# Altium PCB LightLink_V3.PcbDoc (part 1 of 4)
Units mm, origin at the board's own origin, x right, y up, seen from the top; angles counter-clockwise.
Board outline 142 x 100 mm, 6 copper layers (Top Layer, GND, PWR, BRIDGE_1, BRIDGE_2, Bottom Layer), stack 0.816 mm thick; 380 components, 269 nets, 1515 pads, 309 vias.
Unrouted connection lines stored in the file: 109.
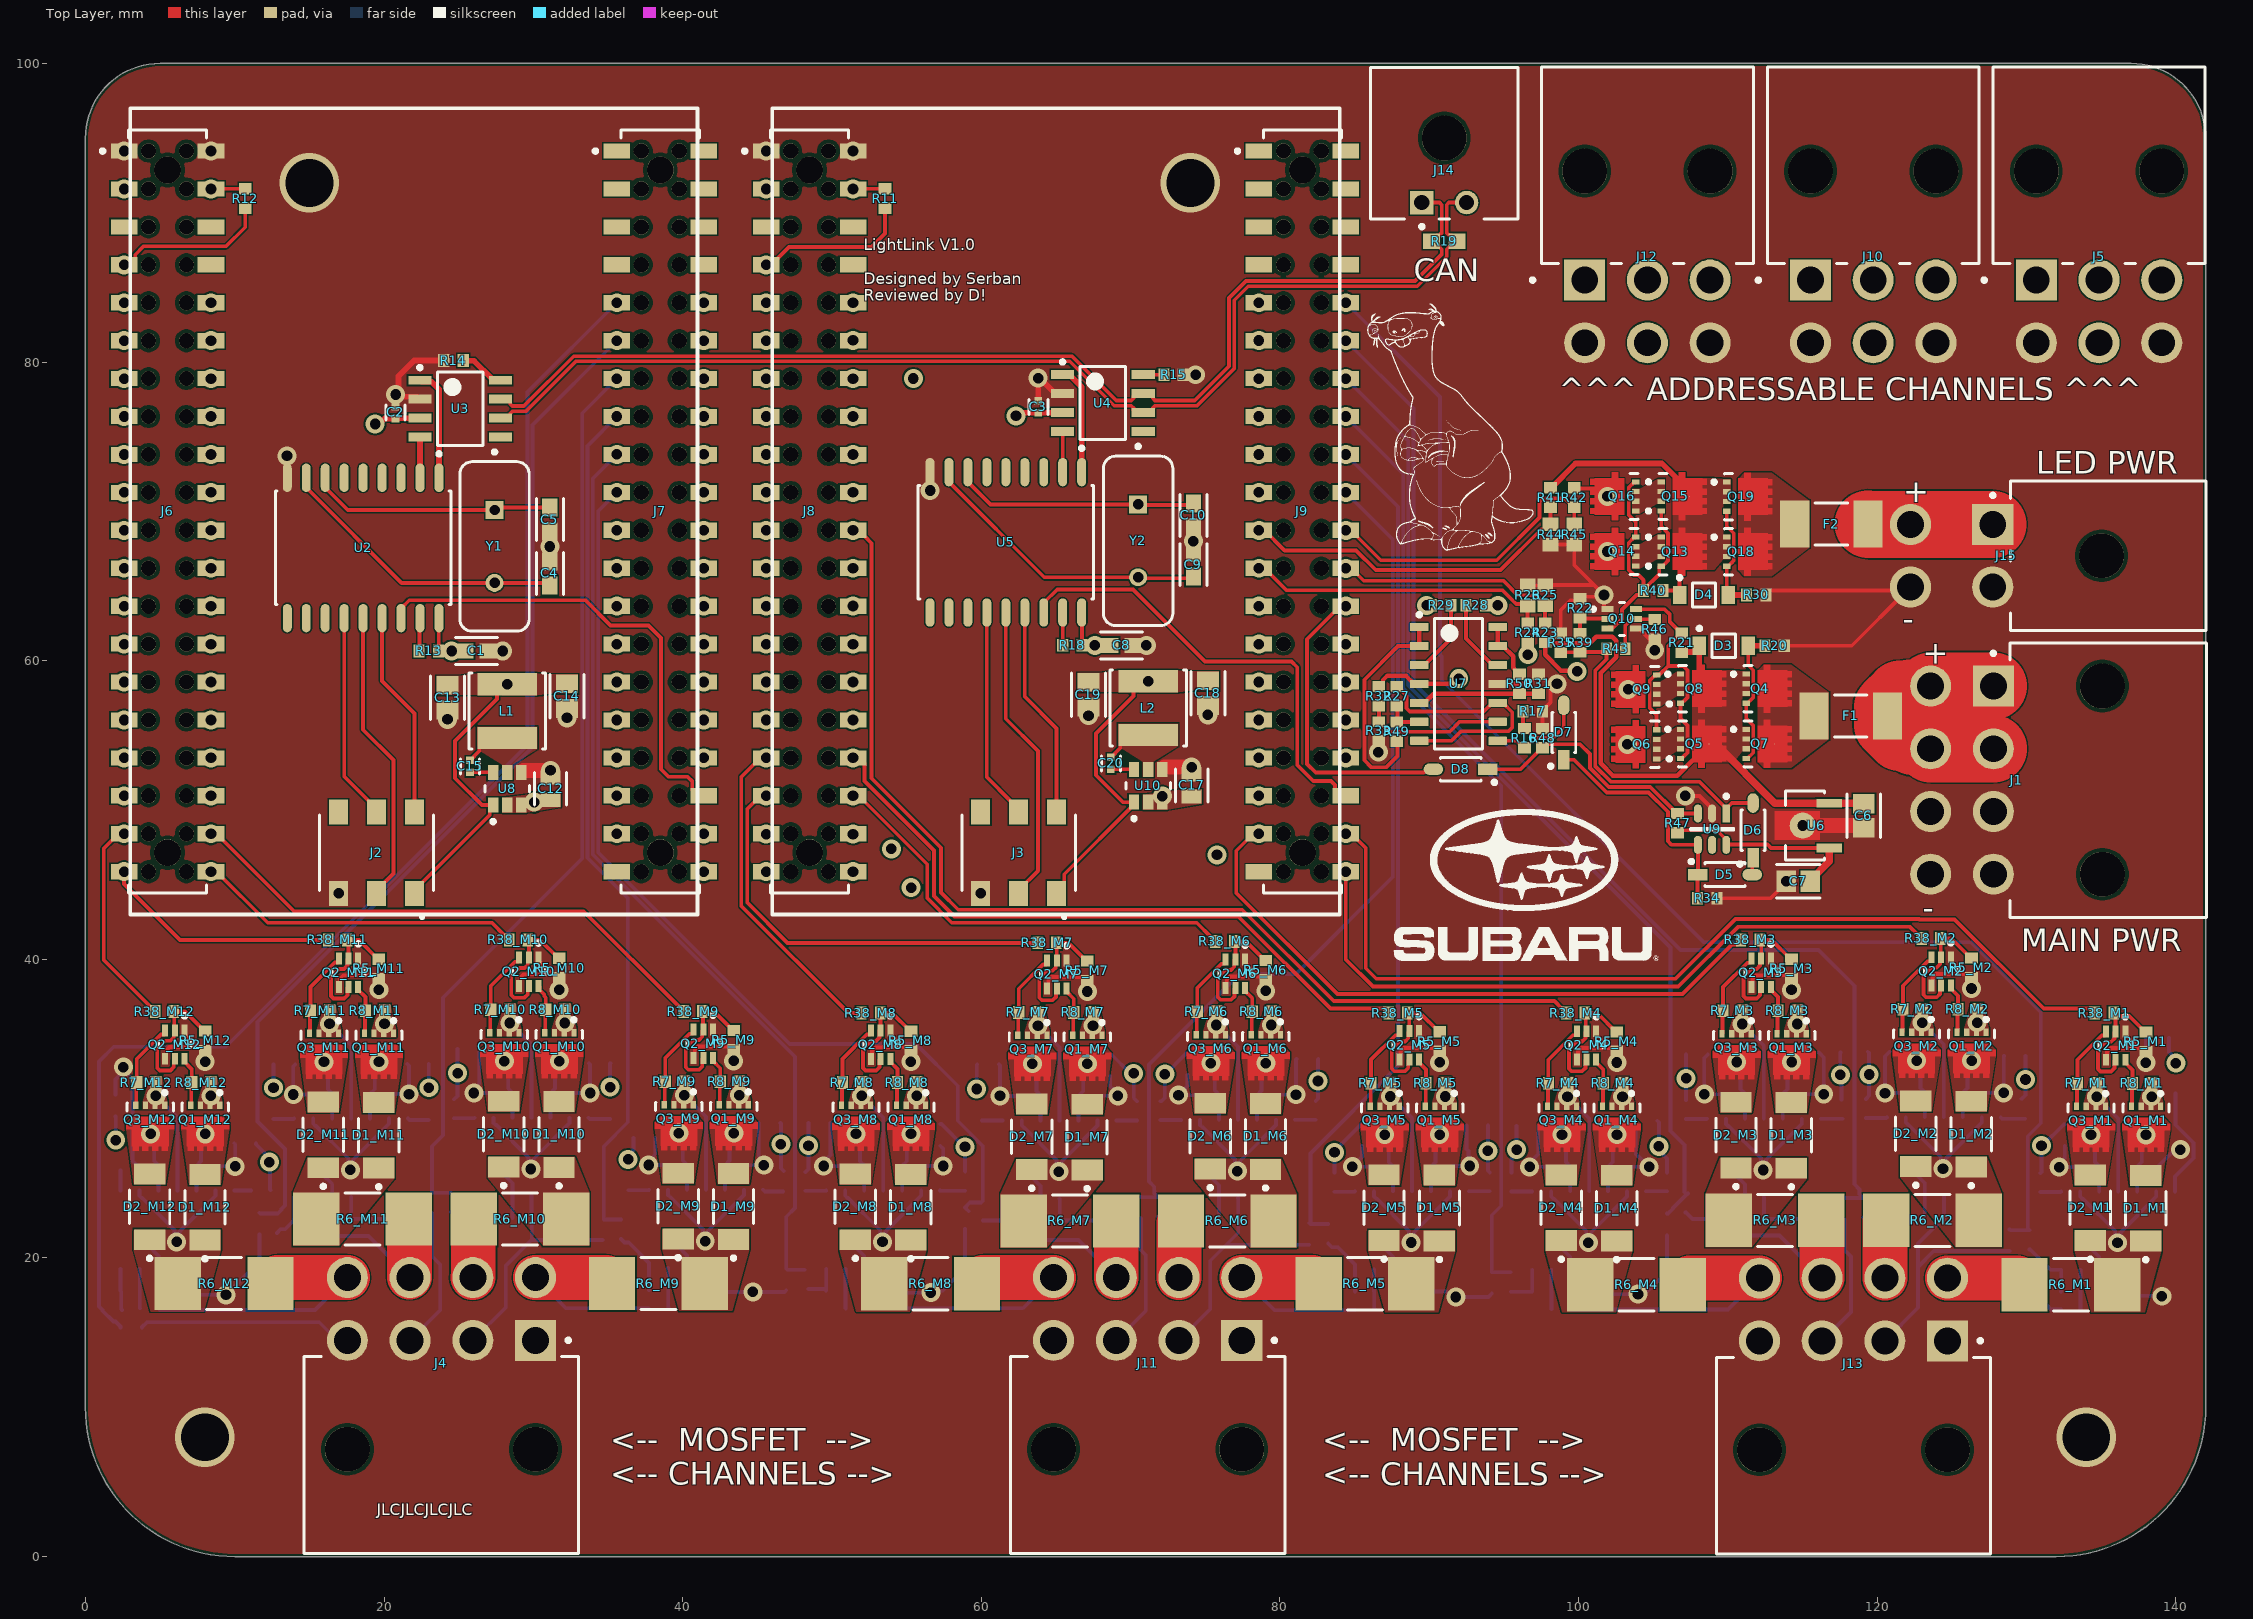
[diagram p0: Top Layer view]
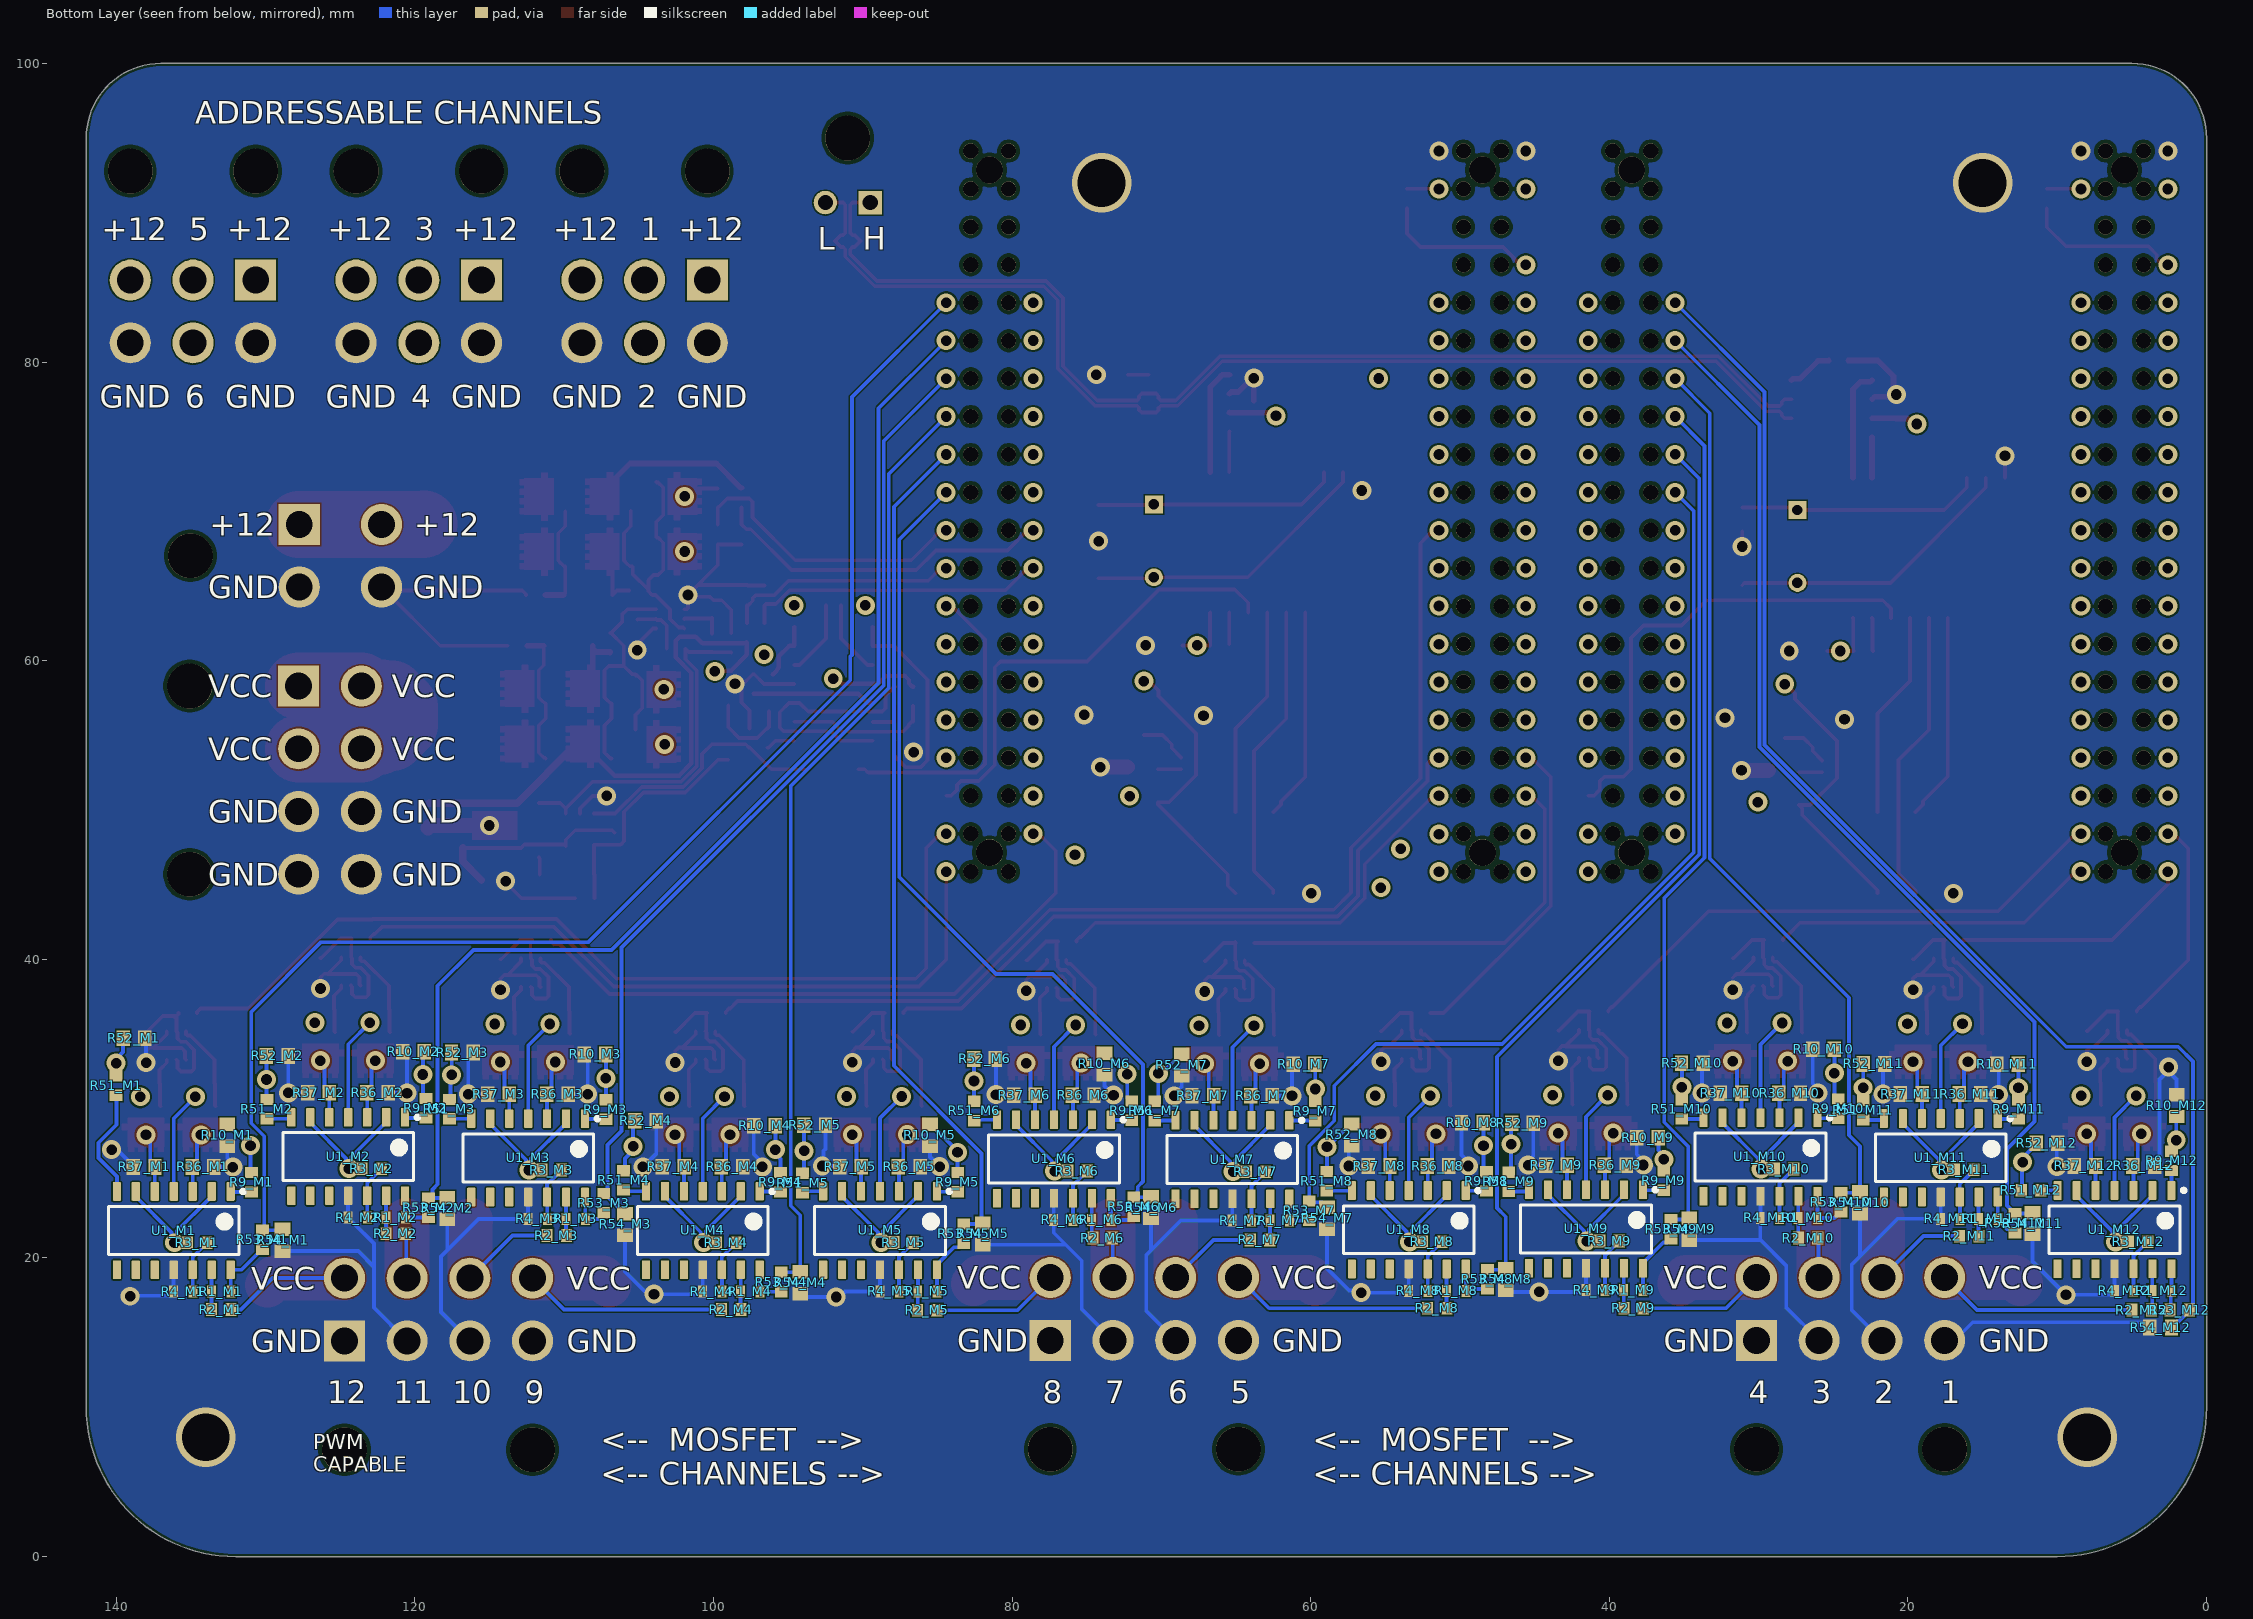
[diagram p1: Bottom Layer view, seen from below]
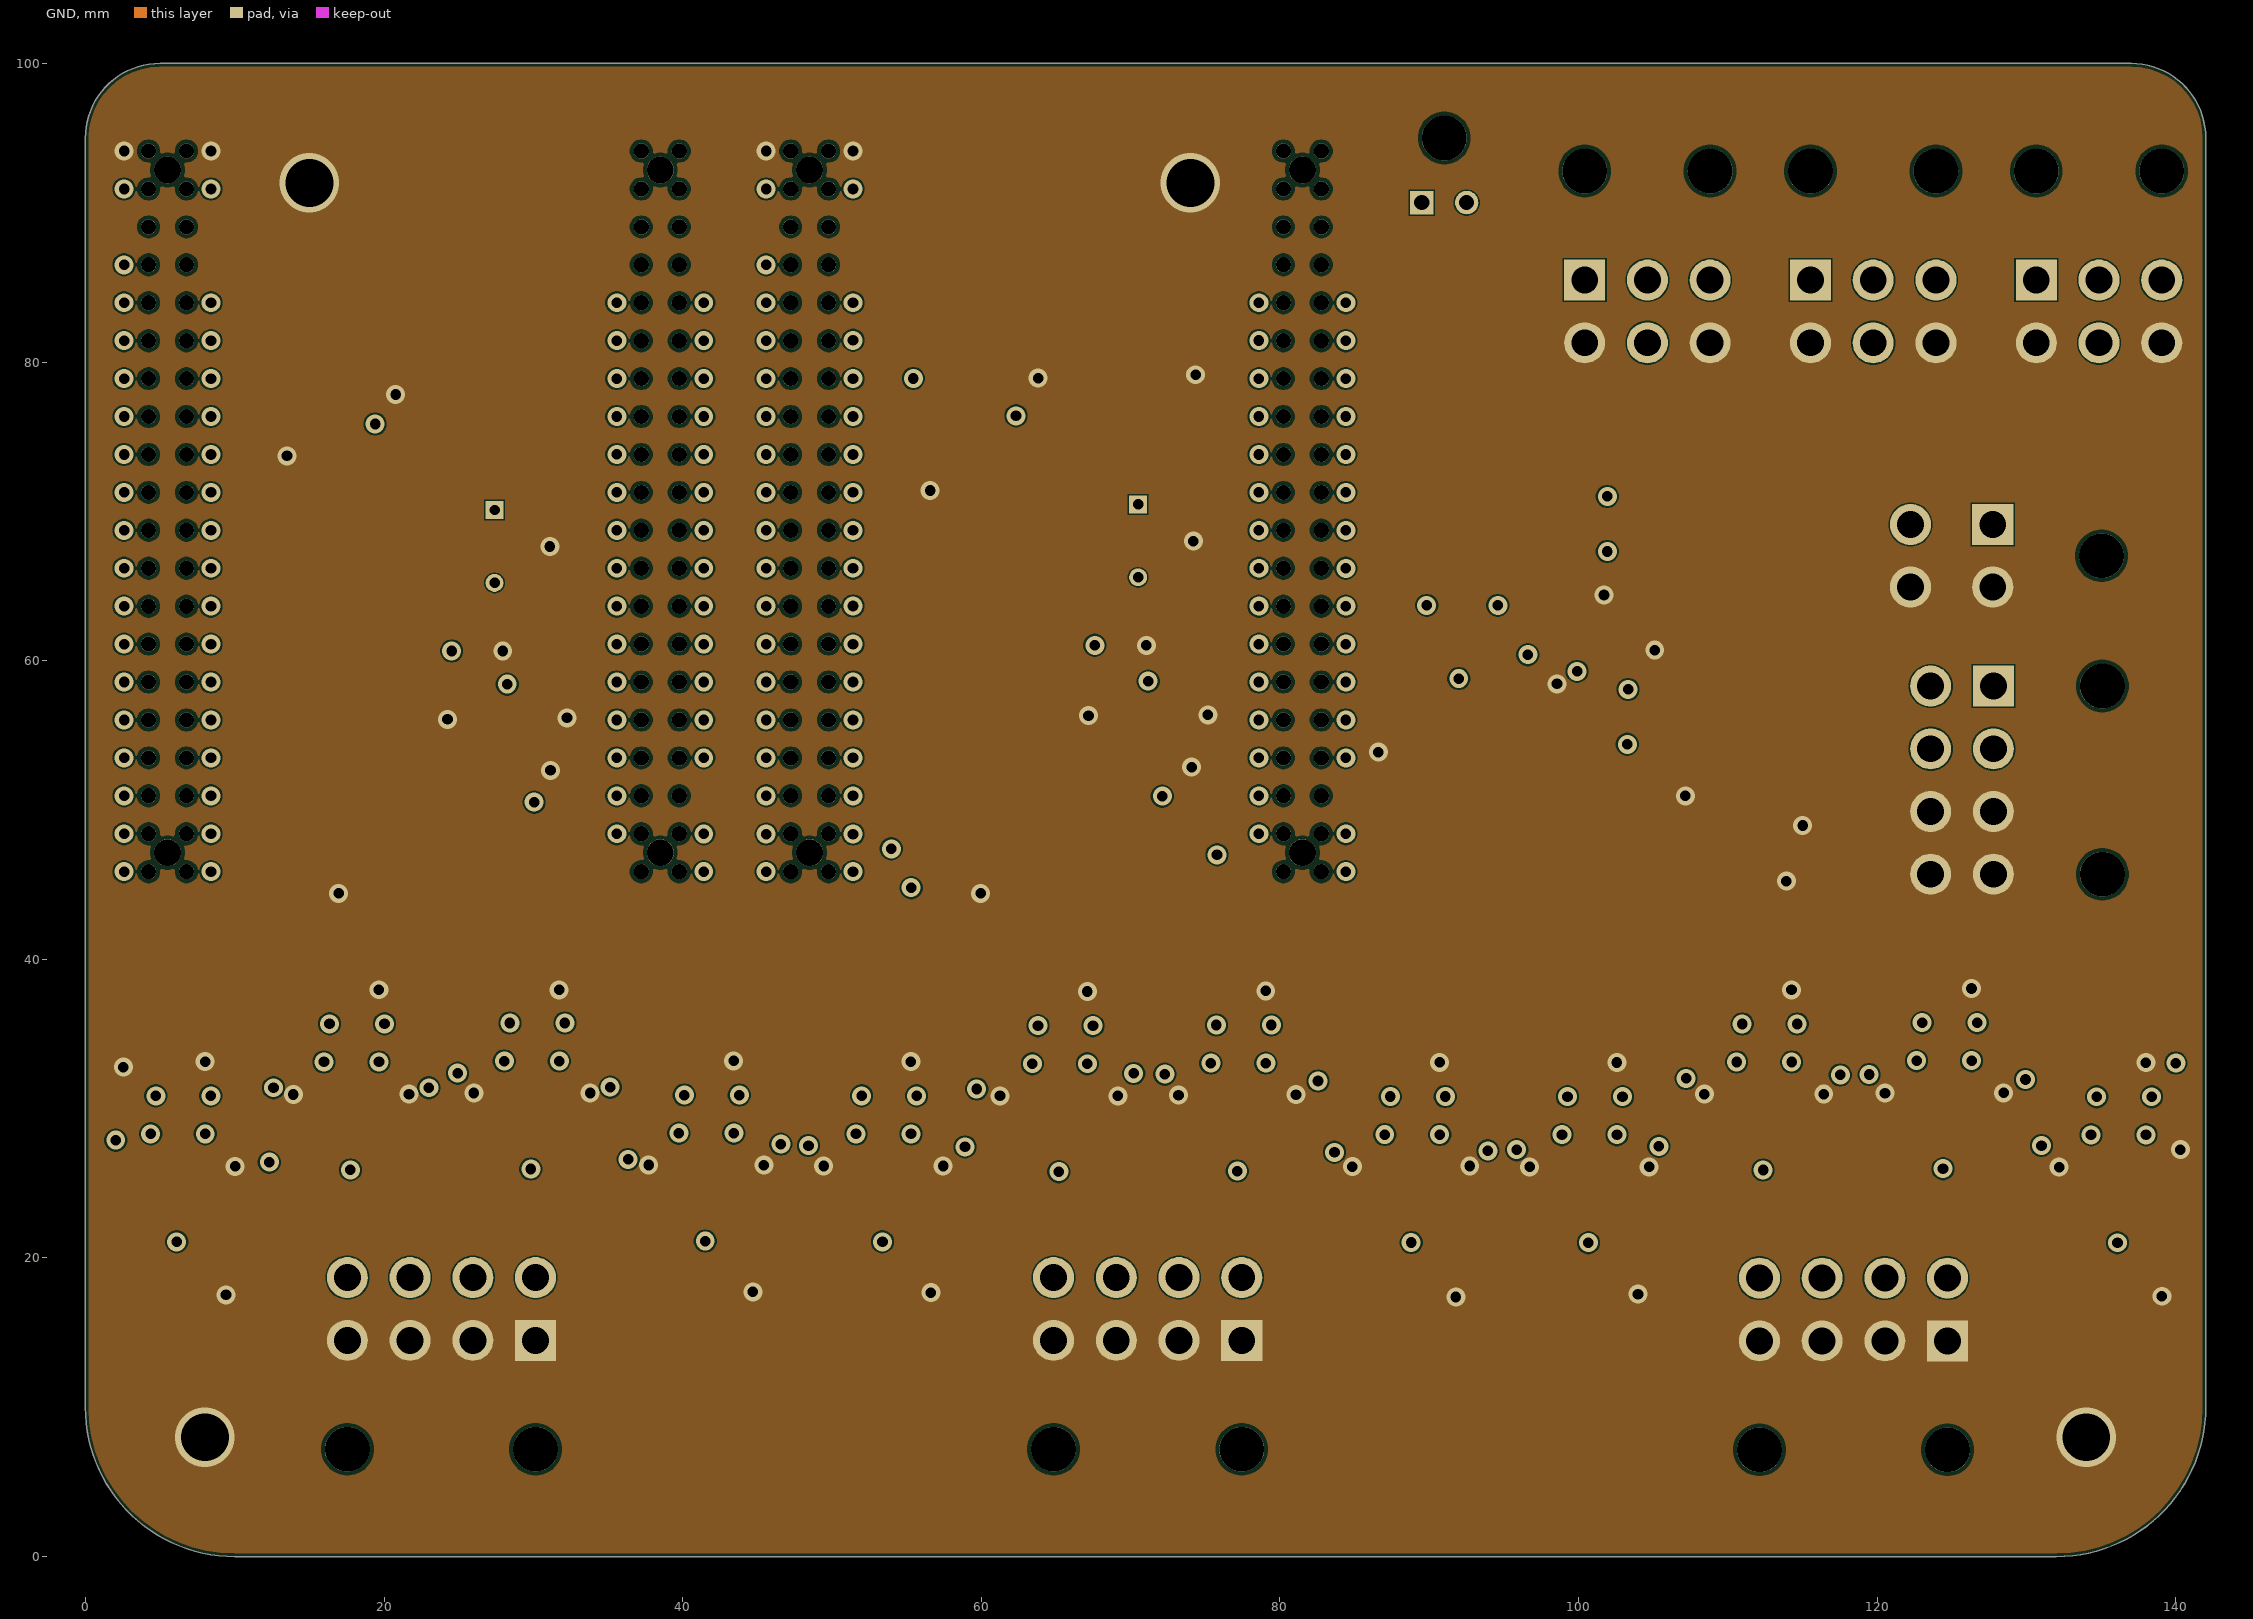
[diagram p2: GND]
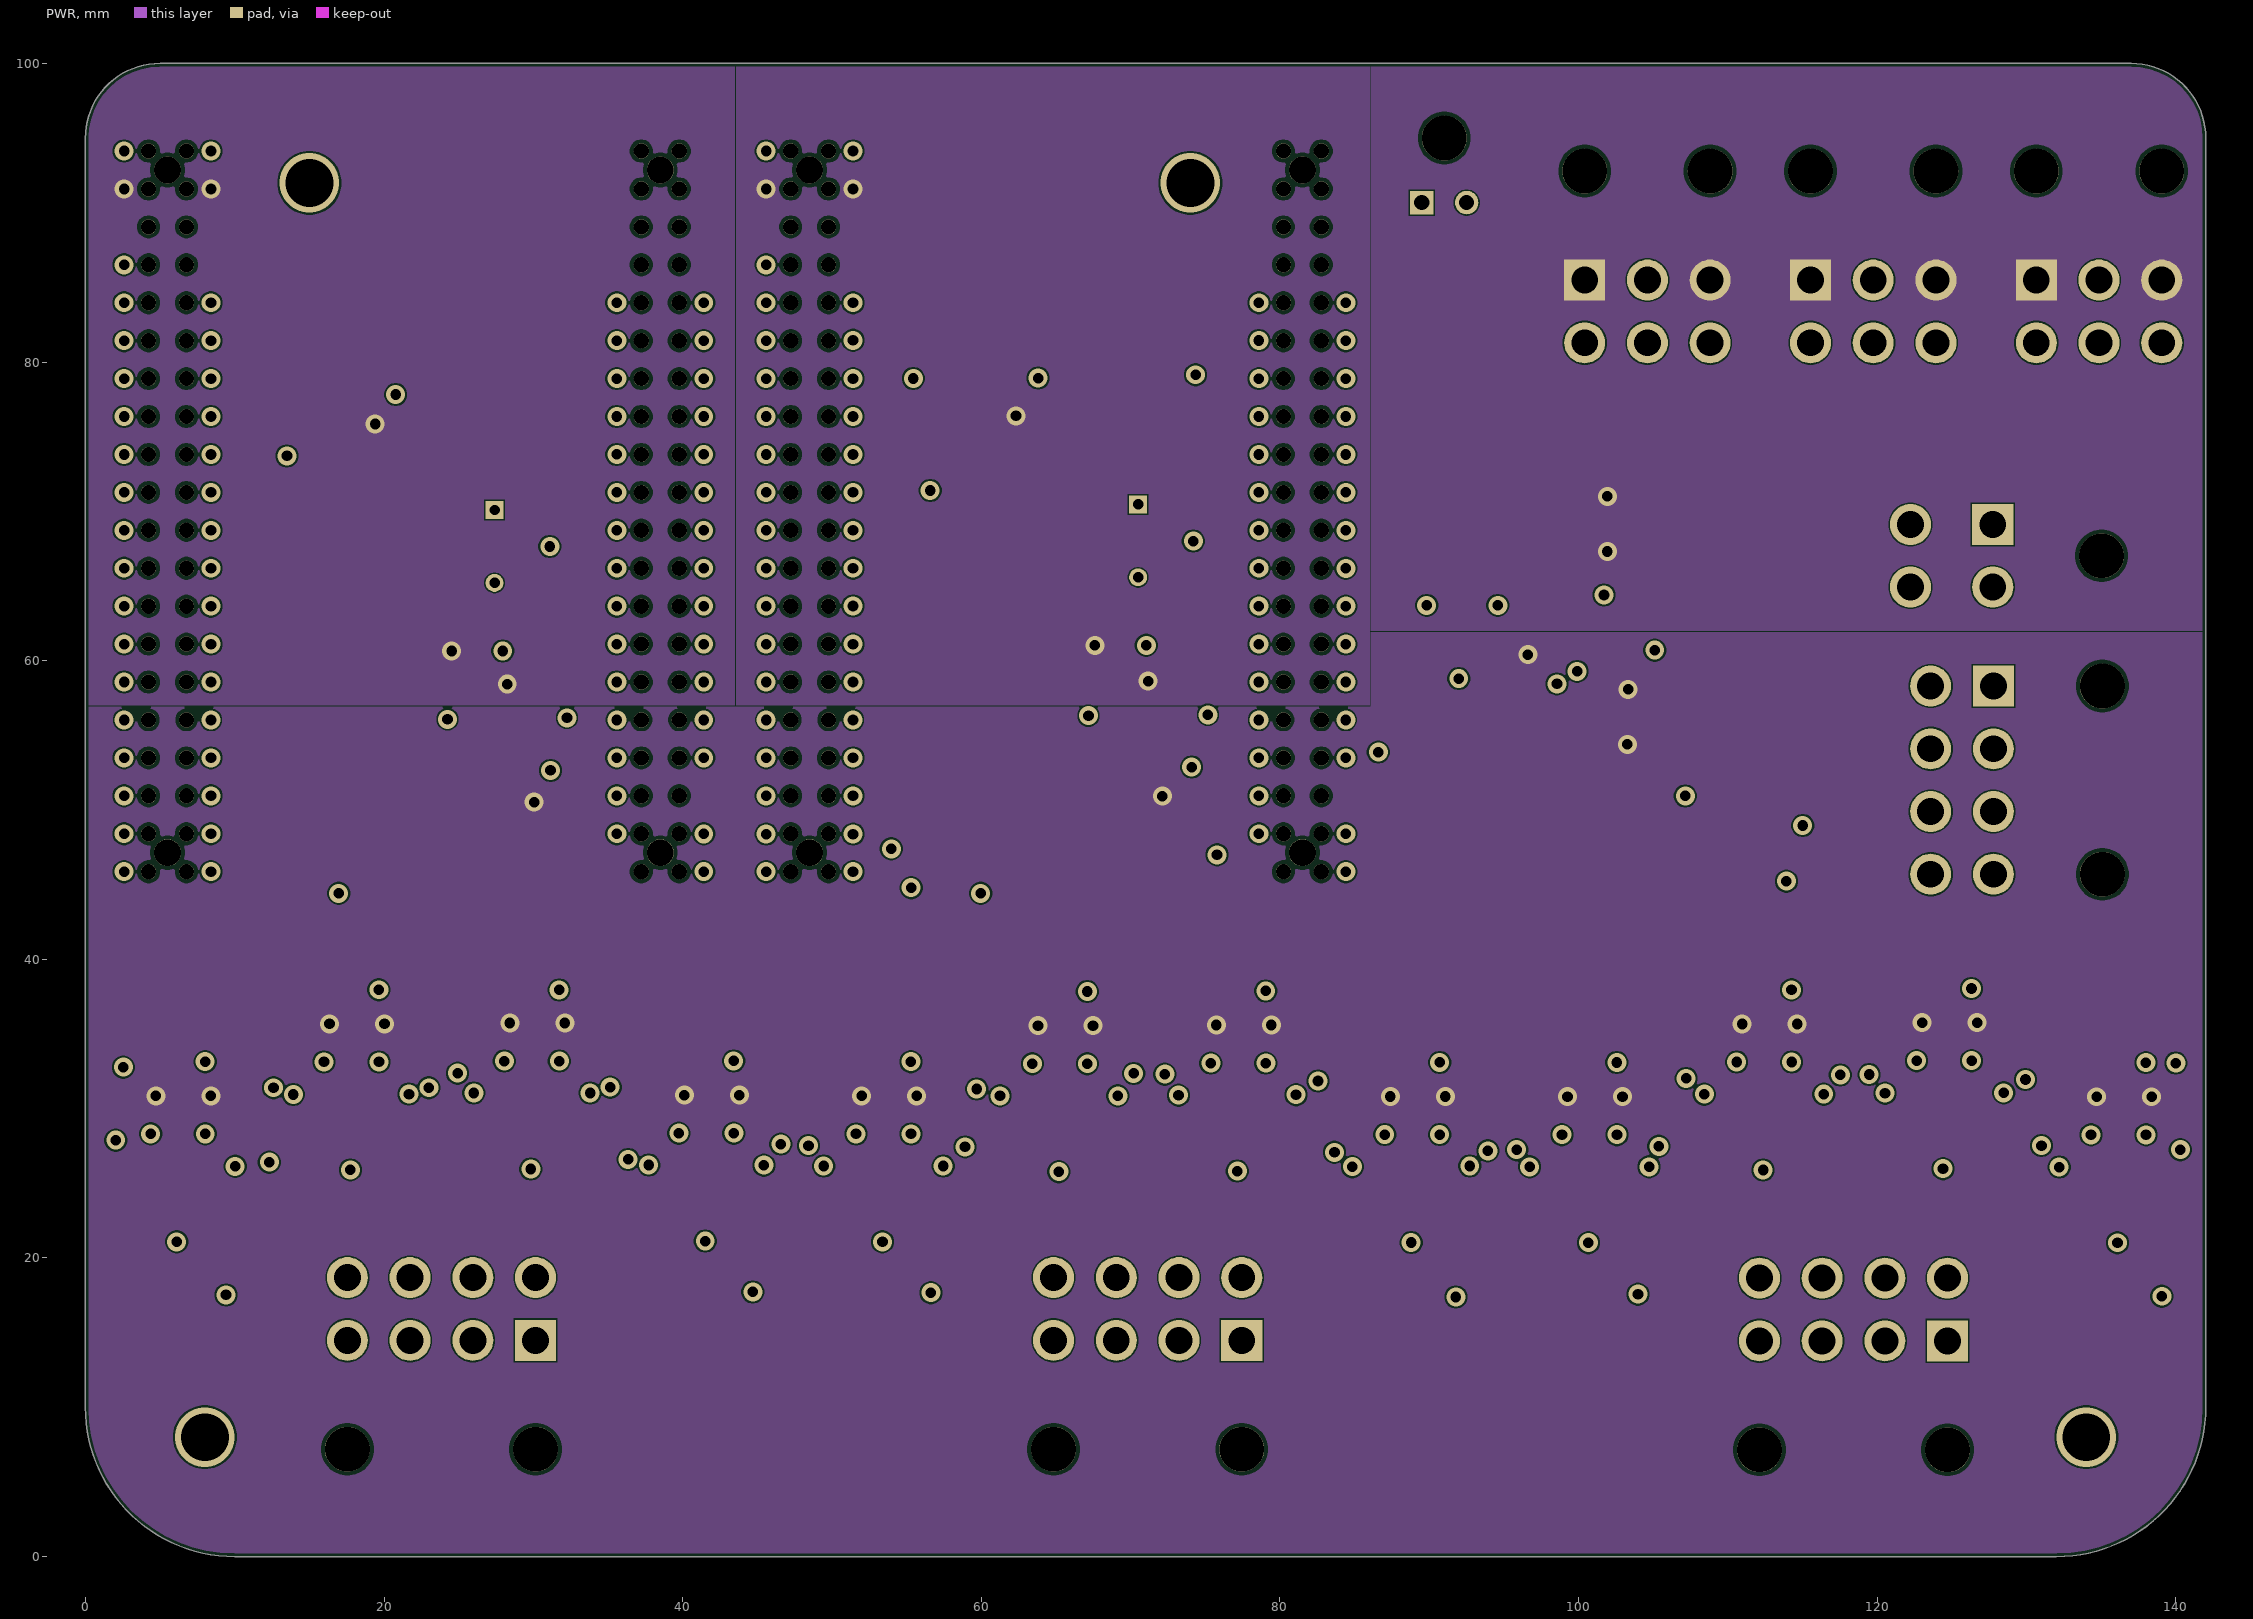
[diagram p3: PWR]